# KiCad board DFTBoard.kicad_pcb (continued)
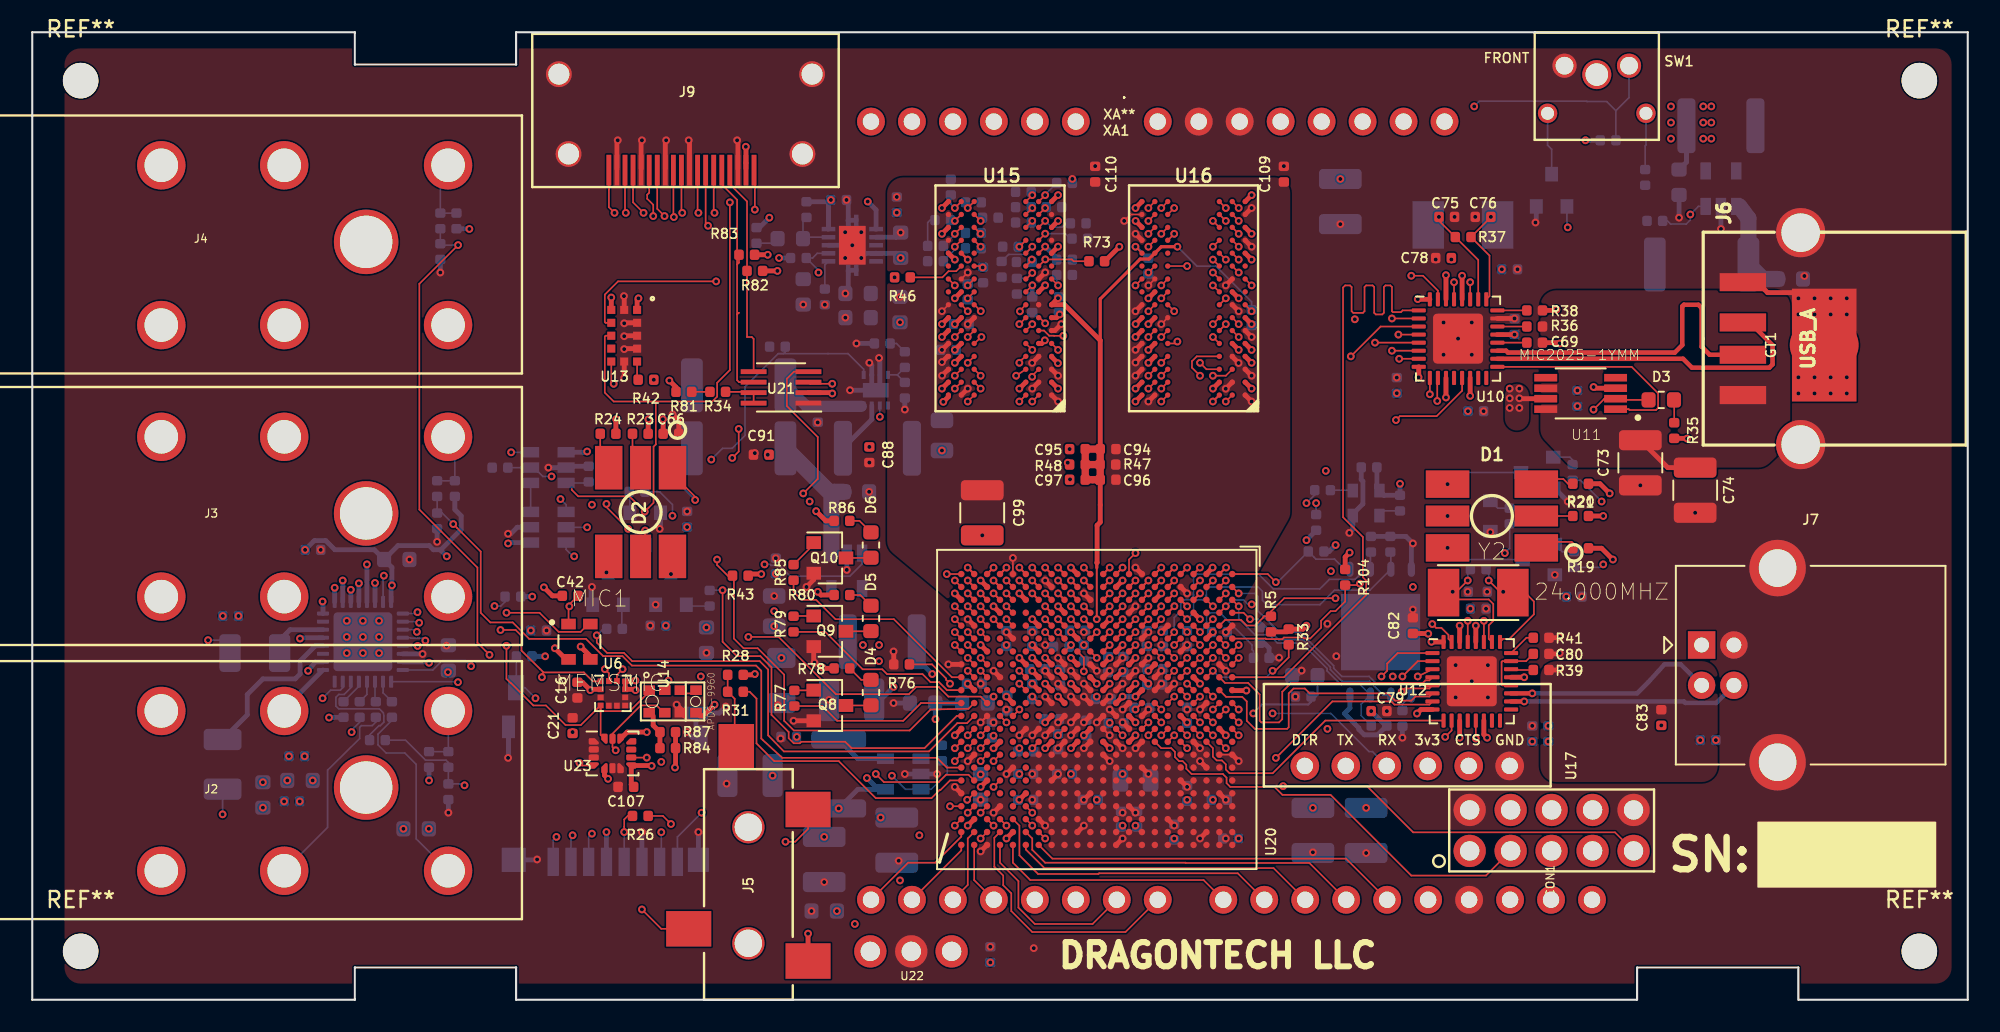
[diagram p0: board, top side]
## Routing (per net, layer and track width the routed paths; a pad name or vN(x,y) marks a point on that pad's centre or on a via; arc(x,y) is an arc through that point) (continued)
DDR3_DQ26: length 16.8
  TOP_GND w0.102: U15.C8 v1(57.2,38.7)
  TOP_GND w0.13: U20.Y3 v1(58.8,25.2)
  SIGNAL2 w0.102: v1(57.2,38.7) 56.8,38.3 56.81,38.29 56.81,37.34 56.88,37.27 56.88,36.27 56.25,35.64 56.24,35.64 55.95,35.35 55.95,28.05 57.6,26.4 58.18,26.4 58.4,26.18 58.4,25.82 58.61,25.61 58.73,25.61 58.8,25.54 v1(58.8,25.2)
DDR3_DQ27: length 19.9
  TOP_GND w0.102: U15.C2 61.99,38.69 v1(61.99,38.63)
  TOP_GND w0.13: U20.W1 v1(60.4,26.8)
  SIGNAL1 w0.102: v1(60.4,26.8) 60.4,32.05 60.4,32.08 60.41,32.11 60.43,32.14 60.45,32.16 60.48,32.18 60.51,32.19 60.54,32.19 60.74,32.19 60.77,32.19 60.8,32.2 60.83,32.22 60.85,32.24 60.87,32.27 60.88,32.3 60.88,32.33 60.88,32.45 60.88,32.48 60.87,32.51 60.85,32.54 60.83,32.56 60.8,32.58 60.77,32.59 60.74,32.59 60.06,32.59 60.03,32.59 60,32.6 59.97,32.62 59.95,32.64 59.93,32.67 59.92,32.7 59.92,32.73 59.92,32.85 59.92,32.88 59.93,32.91 59.95,32.94 59.97,32.96 60,32.98 60.03,32.99 60.06,32.99 60.74,32.99 60.77,32.99 60.8,33 60.83,33.02 60.85,33.04 60.87,33.07 60.88,33.1 60.88,33.13 60.88,33.25 60.88,33.28 60.87,33.31 60.85,33.34 60.83,33.36 60.8,33.38 60.77,33.39 60.74,33.39 60.06,33.39 60.03,33.39 60,33.4 59.97,33.42 59.95,33.44 59.93,33.47 59.92,33.5 59.92,33.53 59.92,33.65 59.92,33.68 59.93,33.71 59.95,33.74 59.97,33.76 60,33.78 60.03,33.79 60.06,33.79 60.74,33.79 60.77,33.79 60.8,33.8 60.83,33.82 60.85,33.84 60.87,33.87 60.88,33.9 60.88,33.93 60.88,34.05 60.88,34.08 60.87,34.11 60.85,34.14 60.83,34.16 60.8,34.18 60.77,34.19 60.74,34.19 60.06,34.19 60.03,34.19 60,34.2 59.97,34.22 59.95,34.24 59.93,34.27 59.92,34.3 59.92,34.33 59.92,34.45 59.92,34.48 59.93,34.51 59.95,34.54 59.97,34.56 60,34.58 60.03,34.59 60.06,34.59 60.74,34.59 60.77,34.59 60.8,34.6 60.83,34.62 60.85,34.64 60.87,34.67 60.88,34.7 60.88,34.73 60.88,34.85 60.88,34.88 60.87,34.91 60.85,34.94 60.83,34.96 60.8,34.98 60.77,34.99 60.74,34.99 60.54,34.99 60.51,34.99 60.48,35 60.45,35.02 60.43,35.04 60.41,35.07 60.4,35.1 60.4,35.13 60.4,37.8 60.9,38.3 61.66,38.3 v1(61.99,38.63)
DDR3_DQ28: length 21.4
  TOP_GND w0.102: U15.A7 v1(58,37.1)
  TOP_GND w0.13: U20.AA1 v1(58,26.8)
  SIGNAL2 w0.102: v1(58,37.1) 57.15,36.25 57.15,32.68 57.15,32.65 57.16,32.62 57.18,32.59 57.2,32.57 57.23,32.55 57.26,32.54 57.29,32.54 57.5,32.54 57.53,32.54 57.56,32.53 57.58,32.51 57.6,32.49 57.62,32.46 57.63,32.43 57.64,32.4 57.64,32.28 57.63,32.25 57.62,32.22 57.6,32.19 57.58,32.17 57.56,32.15 57.53,32.14 57.5,32.14 56.8,32.14 56.77,32.14 56.74,32.13 56.72,32.11 56.7,32.09 56.68,32.06 56.67,32.03 56.66,32 56.66,31.88 56.67,31.85 56.68,31.82 56.7,31.79 56.72,31.77 56.74,31.75 56.77,31.74 56.8,31.74 57.5,31.74 57.53,31.74 57.56,31.73 57.58,31.71 57.6,31.69 57.62,31.66 57.63,31.63 57.64,31.6 57.64,31.48 57.63,31.45 57.62,31.42 57.6,31.39 57.58,31.37 57.56,31.35 57.53,31.34 57.5,31.34 56.8,31.34 56.77,31.34 56.74,31.33 56.72,31.31 56.7,31.29 56.68,31.26 56.67,31.23 56.66,31.2 56.66,31.08 56.67,31.05 56.68,31.02 56.7,30.99 56.72,30.97 56.74,30.95 56.77,30.94 56.8,30.94 57.5,30.94 57.53,30.94 57.56,30.93 57.58,30.91 57.6,30.89 57.62,30.86 57.63,30.83 57.64,30.8 57.64,30.68 57.63,30.65 57.62,30.62 57.6,30.59 57.58,30.57 57.56,30.55 57.53,30.54 57.5,30.54 56.8,30.54 56.77,30.54 56.74,30.53 56.72,30.51 56.7,30.49 56.68,30.46 56.67,30.43 56.66,30.4 56.66,30.28 56.67,30.25 56.68,30.22 56.7,30.19 56.72,30.17 56.74,30.15 56.77,30.14 56.8,30.14 57.5,30.14 57.53,30.14 57.56,30.13 57.58,30.11 57.6,30.09 57.62,30.06 57.63,30.03 57.64,30 57.64,29.88 57.63,29.85 57.62,29.82 57.6,29.79 57.58,29.77 57.56,29.75 57.53,29.74 57.5,29.74 56.8,29.74 56.77,29.74 56.74,29.73 56.72,29.71 56.7,29.69 56.68,29.66 56.67,29.63 56.66,29.6 56.66,29.48 56.67,29.45 56.68,29.42 56.7,29.39 56.72,29.37 56.74,29.35 56.77,29.34 56.8,29.34 57.5,29.34 57.53,29.34 57.56,29.33 57.58,29.31 57.6,29.29 57.62,29.26 57.63,29.23 57.64,29.2 57.64,29.08 57.63,29.05 57.62,29.02 57.6,28.99 57.58,28.97 57.56,28.95 57.53,28.94 57.5,28.94 56.8,28.94 56.77,28.94 56.74,28.93 56.72,28.91 56.7,28.89 56.68,28.86 56.67,28.83 56.66,28.8 56.66,28.68 56.67,28.65 56.68,28.62 56.7,28.59 56.72,28.57 56.74,28.55 56.77,28.54 56.8,28.54 57.5,28.54 57.53,28.54 57.56,28.53 57.58,28.51 57.6,28.49 57.62,28.46 57.63,28.43 57.64,28.4 57.64,28.28 57.63,28.25 57.62,28.22 57.6,28.19 57.58,28.17 57.56,28.15 57.53,28.14 57.5,28.14 57.29,28.14 57.26,28.14 57.23,28.13 57.2,28.11 57.18,28.09 57.16,28.06 57.15,28.03 57.15,28 57.15,27.65 v1(58,26.8)
DDR3_DQ29: length 20.7
  TOP_GND w0.102: U15.A2 v1(62,37.1)
  TOP_GND w0.13: U20.U1 v1(61.2,26.8)
  SIGNAL1 w0.102: v1(62,37.1) 61.2,36.3 61.2,32.43 61.2,32.4 61.21,32.37 61.23,32.34 61.25,32.32 61.28,32.3 61.31,32.29 61.34,32.29 61.53,32.29 61.56,32.29 61.59,32.28 61.62,32.26 61.64,32.24 61.66,32.21 61.67,32.18 61.67,32.15 61.67,32.03 61.67,32 61.66,31.97 61.64,31.94 61.62,31.92 61.59,31.9 61.56,31.89 61.53,31.89 60.87,31.89 60.84,31.89 60.81,31.88 60.78,31.86 60.76,31.84 60.74,31.81 60.73,31.78 60.73,31.75 60.73,31.63 60.73,31.6 60.74,31.57 60.76,31.54 60.78,31.52 60.81,31.5 60.84,31.49 60.87,31.49 61.53,31.49 61.56,31.49 61.59,31.48 61.62,31.46 61.64,31.44 61.66,31.41 61.67,31.38 61.67,31.35 61.67,31.23 61.67,31.2 61.66,31.17 61.64,31.14 61.62,31.12 61.59,31.1 61.56,31.09 61.53,31.09 60.87,31.09 60.84,31.09 60.81,31.08 60.78,31.06 60.76,31.04 60.74,31.01 60.73,30.98 60.73,30.95 60.73,30.83 60.73,30.8 60.74,30.77 60.76,30.74 60.78,30.72 60.81,30.7 60.84,30.69 60.87,30.69 61.53,30.69 61.56,30.69 61.59,30.68 61.62,30.66 61.64,30.64 61.66,30.61 61.67,30.58 61.67,30.55 61.67,30.43 61.67,30.4 61.66,30.37 61.64,30.34 61.62,30.32 61.59,30.3 61.56,30.29 61.53,30.29 60.87,30.29 60.84,30.29 60.81,30.28 60.78,30.26 60.76,30.24 60.74,30.21 60.73,30.18 60.73,30.15 60.73,30.03 60.73,30 60.74,29.97 60.76,29.94 60.78,29.92 60.81,29.9 60.84,29.89 60.87,29.89 61.53,29.89 61.56,29.89 61.59,29.88 61.62,29.86 61.64,29.84 61.66,29.81 61.67,29.78 61.67,29.75 61.67,29.63 61.67,29.6 61.66,29.57 61.64,29.54 61.62,29.52 61.59,29.5 61.56,29.49 61.53,29.49 60.87,29.49 60.84,29.49 60.81,29.48 60.78,29.46 60.76,29.44 60.74,29.41 60.73,29.38 60.73,29.35 60.73,29.23 60.73,29.2 60.74,29.17 60.76,29.14 60.78,29.12 60.81,29.1 60.84,29.09 60.87,29.09 61.53,29.09 61.56,29.09 61.59,29.08 61.62,29.06 61.64,29.04 61.66,29.01 61.67,28.98 61.67,28.95 61.67,28.83 61.67,28.8 61.66,28.77 61.64,28.74 61.62,28.72 61.59,28.7 61.56,28.69 61.53,28.69 60.87,28.69 60.84,28.69 60.81,28.68 60.78,28.66 60.76,28.64 60.74,28.61 60.73,28.58 60.73,28.55 60.73,28.43 60.73,28.4 60.74,28.37 60.76,28.34 60.78,28.32 60.81,28.3 60.84,28.29 60.87,28.29 61.53,28.29 61.56,28.29 61.59,28.28 61.62,28.26 61.64,28.24 61.66,28.21 61.67,28.18 61.67,28.15 61.67,28.03 61.67,28 61.66,27.97 61.64,27.94 61.62,27.92 61.59,27.9 61.56,27.89 61.53,27.89 61.34,27.89 61.31,27.89 61.28,27.88 61.25,27.86 61.23,27.84 61.21,27.81 61.2,27.78 61.2,27.75 v1(61.2,26.8)
DDR3_DQ30: length 16.8
  TOP_GND w0.102: U15.B8 v1(57.2,37.9)
  TOP_GND w0.13: U20.W3 v1(59.6,25.2)
  SIGNAL1 w0.102: v1(57.2,37.9) 57.2,36.42 57.72,35.9 57.72,34.78 57.72,34.73 57.71,34.69 57.68,34.65 57.65,34.62 57.62,34.6 57.57,34.59 57.49,34.58 57.45,34.56 57.41,34.54 57.38,34.51 57.36,34.47 57.34,34.43 57.34,34.39 57.34,34.38 57.34,34.33 57.36,34.29 57.38,34.25 57.41,34.22 57.45,34.2 57.49,34.19 57.53,34.18 57.72,34.18 57.72,34.17 57.92,34.17 57.96,34.17 58,34.16 58.04,34.13 58.07,34.1 58.09,34.07 58.11,34.02 58.11,33.98 58.11,33.97 58.11,33.93 58.09,33.88 58.07,33.85 58.04,33.82 58,33.79 57.96,33.78 57.92,33.78 57.53,33.78 57.49,33.77 57.45,33.76 57.41,33.73 57.38,33.7 57.36,33.67 57.34,33.62 57.34,33.58 57.34,33.57 57.34,33.53 57.36,33.48 57.38,33.45 57.41,33.42 57.45,33.39 57.49,33.38 57.57,33.37 57.62,33.36 57.65,33.33 57.68,33.3 57.71,33.27 57.72,33.22 57.72,33.18 57.72,27.95 58.4,27.28 58.4,25.82 58.62,25.6 59.2,25.6 v1(59.6,25.2)
DDR3_DQ31: length 21.1
  TOP_GND w0.102: U15.A3 v1(61.2,37.1)
  TOP_GND w0.13: U20.U2 v1(61.2,26)
  SIGNAL2 w0.102: v1(61.2,26) 60.8,26.4 60.15,26.4 60,26.55 60,27.45 60,27.48 60.01,27.51 60.03,27.54 60.05,27.56 60.08,27.58 60.11,27.59 60.14,27.59 60.34,27.59 60.37,27.59 60.4,27.6 60.43,27.62 60.45,27.64 60.47,27.67 60.48,27.7 60.48,27.73 60.48,27.85 60.48,27.88 60.47,27.91 60.45,27.94 60.43,27.96 60.4,27.98 60.37,27.99 60.34,27.99 59.66,27.99 59.63,27.99 59.6,28 59.57,28.02 59.55,28.04 59.53,28.07 59.52,28.1 59.52,28.13 59.52,28.25 59.52,28.28 59.53,28.31 59.55,28.34 59.57,28.36 59.6,28.38 59.63,28.39 59.66,28.39 60.34,28.39 60.37,28.39 60.4,28.4 60.43,28.42 60.45,28.44 60.47,28.47 60.48,28.5 60.48,28.53 60.48,28.65 60.48,28.68 60.47,28.71 60.45,28.74 60.43,28.76 60.4,28.78 60.37,28.79 60.34,28.79 59.66,28.79 59.63,28.79 59.6,28.8 59.57,28.82 59.55,28.84 59.53,28.87 59.52,28.9 59.52,28.93 59.52,29.05 59.52,29.08 59.53,29.11 59.55,29.14 59.57,29.16 59.6,29.18 59.63,29.19 59.66,29.19 60.34,29.19 60.37,29.19 60.4,29.2 60.43,29.22 60.45,29.24 60.47,29.27 60.48,29.3 60.48,29.33 60.48,29.45 60.48,29.48 60.47,29.51 60.45,29.54 60.43,29.56 60.4,29.58 60.37,29.59 60.34,29.59 59.66,29.59 59.63,29.59 59.6,29.6 59.57,29.62 59.55,29.64 59.53,29.67 59.52,29.7 59.52,29.73 59.52,29.85 59.52,29.88 59.53,29.91 59.55,29.94 59.57,29.96 59.6,29.98 59.63,29.99 59.66,29.99 60.34,29.99 60.37,29.99 60.4,30 60.43,30.02 60.45,30.04 60.47,30.07 60.48,30.1 60.48,30.13 60.48,30.25 60.48,30.28 60.47,30.31 60.45,30.34 60.43,30.36 60.4,30.38 60.37,30.39 60.34,30.39 59.66,30.39 59.63,30.39 59.6,30.4 59.57,30.42 59.55,30.44 59.53,30.47 59.52,30.5 59.52,30.53 59.52,30.65 59.52,30.68 59.53,30.71 59.55,30.74 59.57,30.76 59.6,30.78 59.63,30.79 59.66,30.79 60.34,30.79 60.37,30.79 60.4,30.8 60.43,30.82 60.45,30.84 60.47,30.87 60.48,30.9 60.48,30.93 60.48,31.05 60.48,31.08 60.47,31.11 60.45,31.14 60.43,31.16 60.4,31.18 60.37,31.19 60.34,31.19 60.14,31.19 60.11,31.19 60.08,31.2 60.05,31.22 60.03,31.24 60.01,31.27 60,31.3 60,31.33 60,35.9 v1(61.2,37.1)
DDR3_DQS0_N: length 31.7
  TOP_GND w0.102: U16.G3 v1(73.2,41.9)
  TOP_GND w0.13: U20.D2 v1(72.4,26)
  SIGNAL2 w0.102: v1(73.2,41.9) 72.95,41.9 72.91,41.86 72.91,41.68 73.09,41.5 73.4,41.5 74.4,40.5 74.4,40.1 74.6,39.9 76.11,39.9 76.43,39.58 76.43,35.35 76.43,35.31 76.41,35.27 76.39,35.23 76.36,35.2 76.32,35.18 76.28,35.16 76.24,35.16 76.06,35.16 75.97,35.15 75.89,35.12 75.82,35.08 75.75,35.01 75.71,34.94 75.68,34.86 75.67,34.77 75.67,34.73 75.68,34.64 75.71,34.56 75.75,34.49 75.82,34.42 75.89,34.38 75.97,34.35 76.06,34.34 76.24,34.34 76.28,34.34 76.32,34.32 76.36,34.3 76.39,34.27 76.41,34.23 76.43,34.19 76.43,34.15 76.43,34.11 76.41,34.07 76.39,34.03 76.36,34 76.32,33.98 76.28,33.96 76.24,33.96 76.01,33.96 75.92,33.95 75.84,33.92 75.77,33.88 75.7,33.81 75.66,33.74 75.63,33.66 75.62,33.57 75.62,33.53 75.63,33.44 75.66,33.36 75.7,33.29 75.77,33.22 75.84,33.18 75.92,33.15 76.01,33.14 76.24,33.14 76.28,33.14 76.32,33.12 76.36,33.1 76.39,33.07 76.41,33.03 76.43,32.99 76.43,32.95 76.43,32.91 76.41,32.87 76.39,32.83 76.36,32.8 76.32,32.78 76.28,32.76 76.24,32.76 76.01,32.76 75.92,32.75 75.84,32.72 75.77,32.68 75.7,32.61 75.66,32.54 75.63,32.46 75.62,32.37 75.62,32.33 75.63,32.24 75.66,32.16 75.7,32.09 75.77,32.02 75.84,31.98 75.92,31.95 76.01,31.94 76.24,31.94 76.28,31.94 76.32,31.92 76.36,31.9 76.39,31.87 76.41,31.83 76.43,31.79 76.43,31.75 76.43,31.71 76.41,31.67 76.39,31.63 76.36,31.6 76.32,31.58 76.28,31.56 76.24,31.56 76.01,31.56 75.92,31.55 75.84,31.52 75.77,31.48 75.7,31.41 75.66,31.34 75.63,31.26 75.62,31.17 75.62,31.13 75.63,31.04 75.66,30.96 75.7,30.89 75.77,30.82 75.84,30.78 75.92,30.75 76.01,30.74 76.24,30.74 76.28,30.74 76.32,30.72 76.36,30.7 76.39,30.67 76.41,30.63 76.43,30.59 76.43,30.55 76.43,30.43 76,30 75.95,29.94 75.92,29.86 75.9,29.78 75.9,29.69 75.92,29.61 75.95,29.54 76,29.47 76.27,29.2 76.3,29.17 76.32,29.13 76.33,29.09 76.33,29.04 76.32,29 76.3,28.96 76.27,28.92 76.24,28.9 76.2,28.88 76.15,28.87 76.11,28.87 76.06,28.88 76.02,28.9 75.99,28.92 75.23,29.69 75.16,29.74 75.09,29.78 75,29.79 74.92,29.79 74.84,29.78 74.76,29.74 74.69,29.69 74.66,29.65 74.61,29.59 74.57,29.51 74.55,29.43 74.55,29.34 74.57,29.26 74.61,29.18 74.66,29.12 75.42,28.36 75.45,28.32 75.47,28.28 75.48,28.24 75.48,28.19 75.47,28.15 75.45,28.11 75.42,28.08 75.39,28.05 75.35,28.03 75.3,28.02 75.26,28.02 75.22,28.03 75.18,28.05 75.14,28.08 74.38,28.84 74.31,28.89 74.24,28.93 74.15,28.95 74.07,28.95 73.99,28.93 73.91,28.89 73.84,28.84 73.81,28.8 73.76,28.74 73.72,28.66 73.7,28.58 73.7,28.49 73.72,28.41 73.76,28.33 73.81,28.27 73.9,28.18 73.93,28.15 73.95,28.11 73.96,28.06 73.96,28.02 73.95,27.97 73.93,27.93 73.9,27.9 73.82,27.82 73,27.82 72.79,27.61 72.79,26.39 v1(72.4,26)
DDR3_DQS0_P: length 32.1
  TOP_GND w0.102: U16.F3 v1(74,41.9)
  TOP_GND w0.13: U20.C2 v1(73.2,26)
  SIGNAL2 w0.102: v1(73.2,26) 73.2,26.07 73.57,26.45 73.57,26.99 73.37,27.2 73.15,27.2 73.05,27.3 73.05,27.45 73.22,27.62 73.91,27.62 74.06,27.77 74.11,27.84 74.15,27.91 74.17,28 74.17,28.08 74.15,28.17 74.11,28.24 74.06,28.31 73.97,28.4 73.94,28.43 73.93,28.47 73.92,28.51 73.92,28.56 73.93,28.6 73.94,28.64 73.97,28.68 74.01,28.7 74.05,28.72 74.09,28.73 74.13,28.73 74.18,28.72 74.22,28.7 74.25,28.68 75.01,27.91 75.08,27.86 75.16,27.82 75.24,27.81 75.32,27.81 75.41,27.82 75.48,27.86 75.55,27.91 75.58,27.95 75.64,28.01 75.67,28.09 75.69,28.17 75.69,28.26 75.67,28.34 75.64,28.42 75.58,28.48 74.82,29.24 74.79,29.28 74.77,29.32 74.76,29.36 74.76,29.41 74.77,29.45 74.79,29.49 74.82,29.52 74.86,29.55 74.9,29.57 74.94,29.58 74.98,29.58 75.03,29.57 75.07,29.55 75.1,29.52 75.86,28.76 75.93,28.71 76.01,28.67 76.09,28.65 76.17,28.65 76.26,28.67 76.33,28.71 76.4,28.76 76.43,28.8 76.48,28.86 76.52,28.94 76.54,29.02 76.54,29.11 76.52,29.19 76.48,29.27 76.43,29.33 76.17,29.6 76.14,29.63 76.12,29.67 76.11,29.71 76.11,29.76 76.12,29.8 76.14,29.84 76.17,29.88 76.65,30.36 76.65,30.57 76.64,30.66 76.61,30.74 76.57,30.81 76.5,30.88 76.43,30.92 76.35,30.95 76.26,30.96 76.03,30.96 75.99,30.96 75.95,30.98 75.91,31 75.88,31.03 75.86,31.07 75.84,31.11 75.84,31.15 75.84,31.19 75.86,31.23 75.88,31.27 75.91,31.3 75.95,31.32 75.99,31.34 76.03,31.34 76.26,31.34 76.35,31.35 76.43,31.38 76.5,31.42 76.57,31.49 76.61,31.56 76.64,31.64 76.65,31.73 76.65,31.77 76.64,31.86 76.61,31.94 76.57,32.01 76.5,32.08 76.43,32.12 76.35,32.15 76.26,32.16 76.03,32.16 75.99,32.16 75.95,32.18 75.91,32.2 75.88,32.23 75.86,32.27 75.84,32.31 75.84,32.35 75.84,32.39 75.86,32.43 75.88,32.47 75.91,32.5 75.95,32.52 75.99,32.54 76.03,32.54 76.26,32.54 76.35,32.55 76.43,32.58 76.5,32.62 76.57,32.69 76.61,32.76 76.64,32.84 76.65,32.93 76.65,32.97 76.64,33.06 76.61,33.14 76.57,33.21 76.5,33.28 76.43,33.32 76.35,33.35 76.26,33.36 76.03,33.36 75.99,33.36 75.95,33.38 75.91,33.4 75.88,33.43 75.86,33.47 75.84,33.51 75.84,33.55 75.84,33.59 75.86,33.63 75.88,33.67 75.91,33.7 75.95,33.72 75.99,33.74 76.03,33.74 76.26,33.74 76.35,33.75 76.43,33.78 76.5,33.82 76.57,33.89 76.61,33.96 76.64,34.04 76.65,34.13 76.65,34.17 76.64,34.26 76.61,34.34 76.57,34.41 76.5,34.48 76.43,34.52 76.35,34.55 76.26,34.56 76.08,34.56 76.04,34.56 76,34.58 75.96,34.6 75.93,34.63 75.91,34.67 75.89,34.71 75.89,34.75 75.89,34.79 75.91,34.83 75.93,34.87 75.96,34.9 76,34.92 76.04,34.94 76.08,34.94 76.26,34.94 76.35,34.95 76.43,34.98 76.5,35.02 76.57,35.09 76.61,35.16 76.64,35.24 76.65,35.33 76.65,36.37 76.63,36.38 76.63,40.64 76.57,40.7 74.6,40.7 74.1,41.2 74.1,41.39 74.41,41.7 74.41,41.99 74.3,42.1 74.2,42.1 v1(74,41.9)
DDR3_DQS1_N: length 18.8
  TOP_GND w0.102: U16.B7 v1(70,37.9)
  TOP_GND w0.13: U20.J2 v1(68.4,26)
  SIGNAL2 w0.102: v1(68.4,26) 68.01,26.39 68.01,26.99 68.33,27.31 68.59,27.31 68.79,27.51 68.79,29.43 69.13,29.77 69.13,31.83 69.14,31.88 69.16,31.93 69.18,31.98 69.22,32.01 69.27,32.04 69.31,32.06 69.37,32.06 69.48,32.06 69.49,32.06 69.5,32.07 69.51,32.07 69.52,32.08 69.52,32.09 69.52,32.1 69.53,32.11 69.53,32.37 69.41,32.49 68.82,32.49 68.73,32.5 68.65,32.53 68.58,32.57 68.52,32.63 68.48,32.7 68.45,32.78 68.44,32.86 68.44,32.92 68.45,33 68.48,33.08 68.52,33.15 68.58,33.21 68.65,33.26 68.73,33.28 68.82,33.29 68.94,33.29 68.98,33.3 69.02,33.31 69.06,33.34 69.09,33.37 69.11,33.4 69.13,33.44 69.13,33.49 69.13,35.67 70.52,37.06 71.22,37.06 71.35,37.18 71.35,38.32 71.17,38.5 70.6,38.5 v1(70,37.9)
DDR3_DQS1_P: length 18.4
  TOP_GND w0.102: U16.C7 v1(70,38.7)
  TOP_GND w0.13: U20.H2 v1(69.2,26)
  SIGNAL2 w0.102: v1(69.2,26) 69.2,26.95 69.14,27.01 69.14,27.24 69,27.38 69,29.35 69.34,29.69 69.34,31.82 69.34,31.83 69.34,31.84 69.35,31.84 69.35,31.85 69.36,31.86 69.37,31.86 69.38,31.86 69.5,31.86 69.55,31.87 69.6,31.88 69.64,31.91 69.68,31.95 69.71,31.99 69.72,32.04 69.73,32.09 69.73,32.43 69.72,32.48 69.71,32.53 69.68,32.58 69.56,32.69 68.84,32.69 68.8,32.7 68.76,32.71 68.72,32.74 68.69,32.77 68.67,32.8 68.65,32.84 68.65,32.89 68.65,32.9 68.65,32.94 68.67,32.98 68.69,33.02 68.72,33.05 68.76,33.07 68.8,33.08 68.84,33.09 68.96,33.09 69.05,33.1 69.13,33.13 69.2,33.17 69.26,33.23 69.3,33.3 69.33,33.38 69.34,33.46 69.34,35.59 70.6,36.85 71.3,36.85 71.55,37.1 71.55,38.4 71.25,38.7 v1(70,38.7)
DDR3_DQS2_N: length 21.4
  TOP_GND w0.102: U15.G3 v1(61.2,41.9)
  TOP_GND w0.13: U20.P2 v1(63.6,26)
  SIGNAL2 w0.102: v1(61.2,41.9) 61.2,41.56 62.06,40.7 62.4,40.7 62.98,40.11 62.98,35.44 62.97,35.44 62.97,32.78 63.2,32.55 63.2,32.34 63.2,32.32 63.19,32.3 63.18,32.28 63.16,32.26 63.14,32.25 63.12,32.24 63.1,32.24 62.97,32.24 62.9,32.23 62.84,32.21 62.79,32.18 62.74,32.13 62.71,32.07 62.68,32.01 62.68,31.95 62.68,31.91 62.68,31.85 62.71,31.79 62.74,31.73 62.79,31.69 62.84,31.65 62.9,31.63 62.97,31.63 63.54,31.63 63.55,31.63 63.55,31.62 63.56,31.62 63.57,31.61 63.57,31.61 63.57,31.6 63.57,31.59 63.57,31.46 63.57,31.45 63.57,31.44 63.57,31.43 63.56,31.43 63.55,31.43 63.55,31.42 63.54,31.42 62.97,31.42 62.9,31.41 62.84,31.39 62.79,31.36 62.74,31.31 62.71,31.26 62.68,31.2 62.68,31.13 62.68,31.1 62.68,31.03 62.71,30.97 62.74,30.92 62.79,30.87 62.84,30.84 62.9,30.82 62.97,30.81 63.53,30.81 63.56,30.78 63.57,30.78 63.57,30.77 63.57,30.76 63.57,30.62 63.57,30.62 63.57,30.61 63.57,30.6 63.56,30.6 63.55,30.59 63.55,30.59 63.54,30.59 63.42,30.59 63.37,30.59 63.33,30.57 63.28,30.54 63.25,30.51 63.22,30.46 63.21,30.42 63.2,30.37 63.2,28 62.8,27.6 62.8,27.38 63.2,26.98 63.2,26.4 v1(63.6,26)
DDR3_DQS2_P: length 22.1
  TOP_GND w0.102: U15.F3 v1(62,41.9)
  TOP_GND w0.13: U20.N2 v1(64.4,26)
  SIGNAL2 w0.102: v1(62,41.9) 61.7,41.6 61.7,41.4 61.81,41.29 62.97,41.29 63.18,41.07 63.18,36.99 ; v1(64.4,26) 64.01,26.39 64.01,27.04 63.4,27.65 63.4,30.35 63.4,30.36 63.41,30.37 63.41,30.37 63.42,30.38 63.42,30.38 63.43,30.39 63.44,30.39 63.55,30.39 63.6,30.39 63.65,30.41 63.69,30.44 63.73,30.47 63.75,30.51 63.77,30.56 63.78,30.61 63.78,30.78 63.77,30.83 63.75,30.87 63.73,30.92 63.69,30.95 63.65,30.98 63.61,31.01 62.98,31.01 62.96,31.02 62.94,31.02 62.92,31.04 62.9,31.05 62.89,31.07 62.88,31.09 62.88,31.12 62.88,31.14 62.89,31.16 62.9,31.18 62.92,31.2 62.94,31.21 62.96,31.22 62.98,31.22 63.55,31.22 63.6,31.22 63.65,31.24 63.69,31.27 63.73,31.3 63.75,31.34 63.77,31.39 63.78,31.44 63.78,31.61 63.77,31.66 63.75,31.7 63.73,31.75 63.69,31.78 63.65,31.81 63.6,31.82 63.55,31.83 62.98,31.83 62.96,31.83 62.94,31.84 62.92,31.85 62.9,31.87 62.89,31.89 62.88,31.91 62.88,31.93 62.88,31.95 62.89,31.98 62.9,32 62.92,32.01 62.94,32.02 62.96,32.03 62.98,32.03 63.12,32.03 63.18,32.04 63.24,32.06 63.3,32.1 63.34,32.14 63.38,32.2 63.4,32.26 63.4,32.32 63.4,32.63 63.18,32.86 63.18,36.99 ; 63.18,36.77 63.18,36.99
DDR3_DQS3_N: length 18.3
  TOP_GND w0.102: U15.B7 v1(58.8,37.9)
  TOP_GND w0.13: U20.W2 v1(59.6,26)
  SIGNAL1 w0.102: v1(59.6,26) 58.9,26.7 58.9,26.95 59.35,27.4 59.35,28.72 59.36,28.77 59.38,28.83 59.41,28.88 59.45,28.92 59.5,28.95 59.55,28.97 59.61,28.98 59.75,28.98 59.76,28.98 59.77,28.99 59.78,29 59.78,29 59.78,29.5 59.77,29.51 59.77,29.52 59.77,29.53 59.7,29.6 58.87,29.6 58.76,29.61 58.65,29.65 58.56,29.71 58.48,29.79 58.42,29.88 58.39,29.98 58.37,30.09 58.37,30.16 58.39,30.27 58.42,30.37 58.48,30.46 58.56,30.54 58.65,30.6 58.76,30.64 58.87,30.65 59.75,30.65 59.76,30.65 59.77,30.66 59.78,30.67 59.78,30.68 59.78,31.17 59.77,31.19 59.77,31.19 59.76,31.2 59.75,31.2 58.87,31.2 58.76,31.21 58.65,31.25 58.56,31.31 58.48,31.39 58.42,31.48 58.39,31.58 58.37,31.69 58.37,31.76 58.39,31.87 58.42,31.97 58.48,32.06 58.56,32.14 58.65,32.2 58.76,32.24 58.87,32.25 59.07,32.25 59.14,32.26 59.19,32.28 59.25,32.31 59.29,32.35 59.32,32.41 59.34,32.46 59.35,32.53 59.35,36.6 59.15,36.8 59.15,37 59.35,37.2 59.35,37.35 v1(58.8,37.9)
DDR3_DQS3_P: length 19.4
  TOP_GND w0.102: U15.C7 v1(58.8,38.7) ; U20.V2 v1(60.4,26)
  SIGNAL1 w0.102: v1(60.4,26) 60,26.4 60,27 59.6,27.4 59.6,28.7 59.6,28.71 59.61,28.72 59.62,28.73 59.63,28.73 59.77,28.73 59.82,28.73 59.88,28.75 59.93,28.78 59.97,28.82 60,28.87 60.02,28.93 60.03,28.99 60.03,29.52 60.02,29.57 60,29.63 59.78,29.85 58.9,29.85 58.84,29.86 58.78,29.88 58.73,29.91 58.68,29.95 58.65,30.01 58.63,30.06 58.62,30.12 58.63,30.19 58.65,30.24 58.68,30.3 58.73,30.34 58.78,30.37 58.84,30.39 58.9,30.4 59.77,30.4 59.82,30.41 59.88,30.43 59.93,30.46 59.97,30.5 60,30.55 60.02,30.6 60.03,30.66 60.03,31.19 60.02,31.25 60,31.3 59.97,31.35 59.93,31.39 59.88,31.42 59.82,31.44 59.77,31.45 58.9,31.45 58.84,31.46 58.78,31.48 58.73,31.51 58.68,31.55 58.65,31.61 58.63,31.66 58.62,31.72 58.63,31.79 58.65,31.84 58.68,31.9 58.73,31.94 58.78,31.97 58.84,31.99 58.9,32 59.11,32 59.22,32.01 59.32,32.05 59.41,32.11 59.49,32.19 59.55,32.28 59.59,32.38 59.6,32.49 59.6,38.35 59.25,38.7 v1(58.8,38.7)
  SIGNAL2 w0.102: v1(60.4,26) 60.21,26
DDR3_DRST#: length 53.6
  TOP_GND w0.102: U15.T2 v1(62.8,49.9) ; U16.T2 v1(74.8,49.1)
  TOP_GND w0.13: U20.F3 v1(70.8,25.2)
  SIGNAL2 w0.102: v1(74.8,49.1) 73.5,50.4 66.32,50.4 66.29,50.4 66.26,50.39 66.23,50.37 66.21,50.35 66.2,50.32 66.19,50.3 66.18,50.24 66.17,50.21 66.15,50.18 66.13,50.16 66.11,50.15 66.08,50.14 66.05,50.13 65.92,50.13 65.89,50.14 65.86,50.15 65.83,50.16 65.81,50.18 65.8,50.21 65.79,50.24 65.78,50.3 65.77,50.32 65.75,50.35 65.73,50.37 65.71,50.39 65.68,50.4 65.65,50.4 63.3,50.4 v1(62.8,49.9)
  SIGNAL4 w0.102: v1(74.8,49.1) 75.2,49.5 77.2,49.5 80.45,46.25 80.45,33.95 74.9,28.4 74.9,27 74.3,26.4 73.8,26.4 73.62,26.58 73.62,27.33 73.5,27.45 72.95,27.45 72.79,27.29 72.79,26.61 72.8,26.6 72.8,25.02 72.59,24.81 72.21,24.81 72.21,24.81 72.05,24.65 72.05,24.27 71.78,24 71.42,24 71.2,24.21 71.2,24.59 71.2,24.6 71.2,24.8 v1(70.8,25.2)
  BOTTOM w0.102: R74.1 62.8,49.94 v1(62.8,49.9)
DDR3_ODT: length 48.4
  TOP_GND w0.102: U16.K1 v1(75.6,44.3) ; U15.K1 v1(63.6,44.3)
  TOP_GND w0.13: U20.P5 v1(63.6,23.6)
  SIGNAL2 w0.102: v1(63.6,44.3) 63.85,44.55 67.1,44.55 67.25,44.7 73.38,44.7 73.88,45.2 74.1,45.2 74.39,44.91 74.41,44.91 74.61,44.71 75.19,44.71 v1(75.6,44.3)
  SIGNAL4 w0.102: v1(63.6,23.6) 63.6,23.94 63.61,23.95 63.75,23.95 64,24.2 64,27.97 64.02,27.99 64.05,28.01 64.08,28.02 64.11,28.02 64.15,28.01 64.17,27.99 64.2,27.97 64.31,27.87 64.33,27.85 64.36,27.83 64.39,27.83 64.42,27.83 64.45,27.83 64.48,27.85 64.51,27.87 64.59,27.95 64.61,27.97 64.62,28 64.63,28.03 64.63,28.07 64.62,28.1 64.61,28.12 64.59,28.15 64.14,28.6 64.12,28.63 64.1,28.65 64.1,28.68 64.1,28.72 64.1,28.75 64.12,28.77 64.14,28.8 64.22,28.88 64.25,28.9 64.28,28.92 64.31,28.92 64.34,28.92 64.37,28.92 64.4,28.9 64.42,28.88 64.87,28.43 64.9,28.41 64.93,28.4 64.96,28.39 64.99,28.39 65.02,28.4 65.05,28.41 65.07,28.43 65.16,28.52 65.18,28.54 65.19,28.57 65.2,28.6 65.2,28.63 65.19,28.66 65.18,28.69 65.16,28.71 64.7,29.17 64.68,29.19 64.67,29.22 64.66,29.25 64.66,29.28 64.67,29.31 64.68,29.34 64.7,29.36 64.79,29.45 64.81,29.47 64.84,29.48 64.87,29.49 64.9,29.49 64.93,29.48 64.96,29.47 64.99,29.45 65.47,28.96 65.5,28.94 65.53,28.93 65.56,28.92 65.59,28.92 65.62,28.93 65.65,28.94 65.67,28.96 65.76,29.05 65.78,29.07 65.79,29.1 65.8,29.13 65.8,29.16 65.79,29.19 65.78,29.22 65.76,29.24 65.27,29.73 65.25,29.76 65.24,29.78 65.23,29.82 65.23,29.85 65.24,29.88 65.25,29.91 65.27,29.93 65.35,30.01 65.38,30.03 65.41,30.05 65.44,30.06 65.47,30.06 65.5,30.05 65.53,30.03 65.55,30.01 66.04,29.53 66.06,29.51 66.09,29.49 66.12,29.49 66.15,29.49 66.19,29.49 66.21,29.51 66.24,29.53 66.32,29.61 66.34,29.64 66.36,29.66 66.36,29.7 66.36,29.73 66.36,29.76 66.34,29.79 66.32,29.81 65.84,30.3 65.82,30.32 65.8,30.35 65.79,30.38 65.79,30.41 65.8,30.44 65.82,30.47 65.84,30.5 65.92,30.58 65.94,30.6 65.97,30.61 66,30.62 66.03,30.62 66.07,30.61 66.09,30.6 66.12,30.58 66.26,30.44 66.29,30.42 66.32,30.4 66.35,30.4 66.38,30.4 66.41,30.4 66.44,30.42 66.46,30.44 67.27,31.24 71.94,35.92 71.94,39.63 72.05,39.73 72.05,40.55 72.78,41.28 72.8,41.28 73.03,41.51 73.39,41.51 73.59,41.71 73.59,42.34 73.6,42.35 73.6,43 73.7,43.1 74.25,43.1 74.4,43.25 74.4,43.9 74.8,44.3 v1(75.6,44.3)
  BOTTOM w0.102: R72.1 63.51,44.39 v1(63.6,44.3)
DDR3_RAS#: length 46.2
  TOP_GND w0.102: U16.J3 v1(73.2,44.3) ; U15.J3 62,44.3 v1(62,44.31)
  TOP_GND w0.13: U20.R5 v1(62.8,23.6)
  SIGNAL2 w0.102: v1(73.2,44.3) 70.58,44.3 70.17,43.89 68.29,43.89 68.27,43.89 68.25,43.88 68.22,43.87 68.21,43.85 68.19,43.83 68.19,43.81 68.18,43.76 68.17,43.74 68.16,43.71 68.14,43.7 68.12,43.68 68.1,43.68 68.07,43.67 67.89,43.67 67.87,43.68 67.85,43.68 67.82,43.7 67.71,43.81 67.71,44.12 67.7,44.16 67.68,44.19 67.65,44.22 67.61,44.24 67.57,44.26 67.53,44.26 67.5,44.26 67.46,44.26 67.42,44.24 67.39,44.22 67.36,44.19 67.34,44.16 67.32,44.12 67.31,44.04 67.3,44 67.28,43.96 67.25,43.93 67.21,43.91 67.17,43.9 67.13,43.89 66.74,43.89 65.9,43.05 64.95,43.05 64.1,43.9 62.41,43.9 v1(62,44.31)